# Altium PCB ATM1099C-0627-ssy-1.brd.PcbDoc (part 4 of 4)
Units mm, origin at the board's own origin, x right, y up, seen from the top; angles counter-clockwise.
Board outline 134 x 90 mm, 4 copper layers (TOP, GND, POWER, BOTTOM), stack 1.562 mm thick; 290 components, 303 nets, 1209 pads, 571 vias.
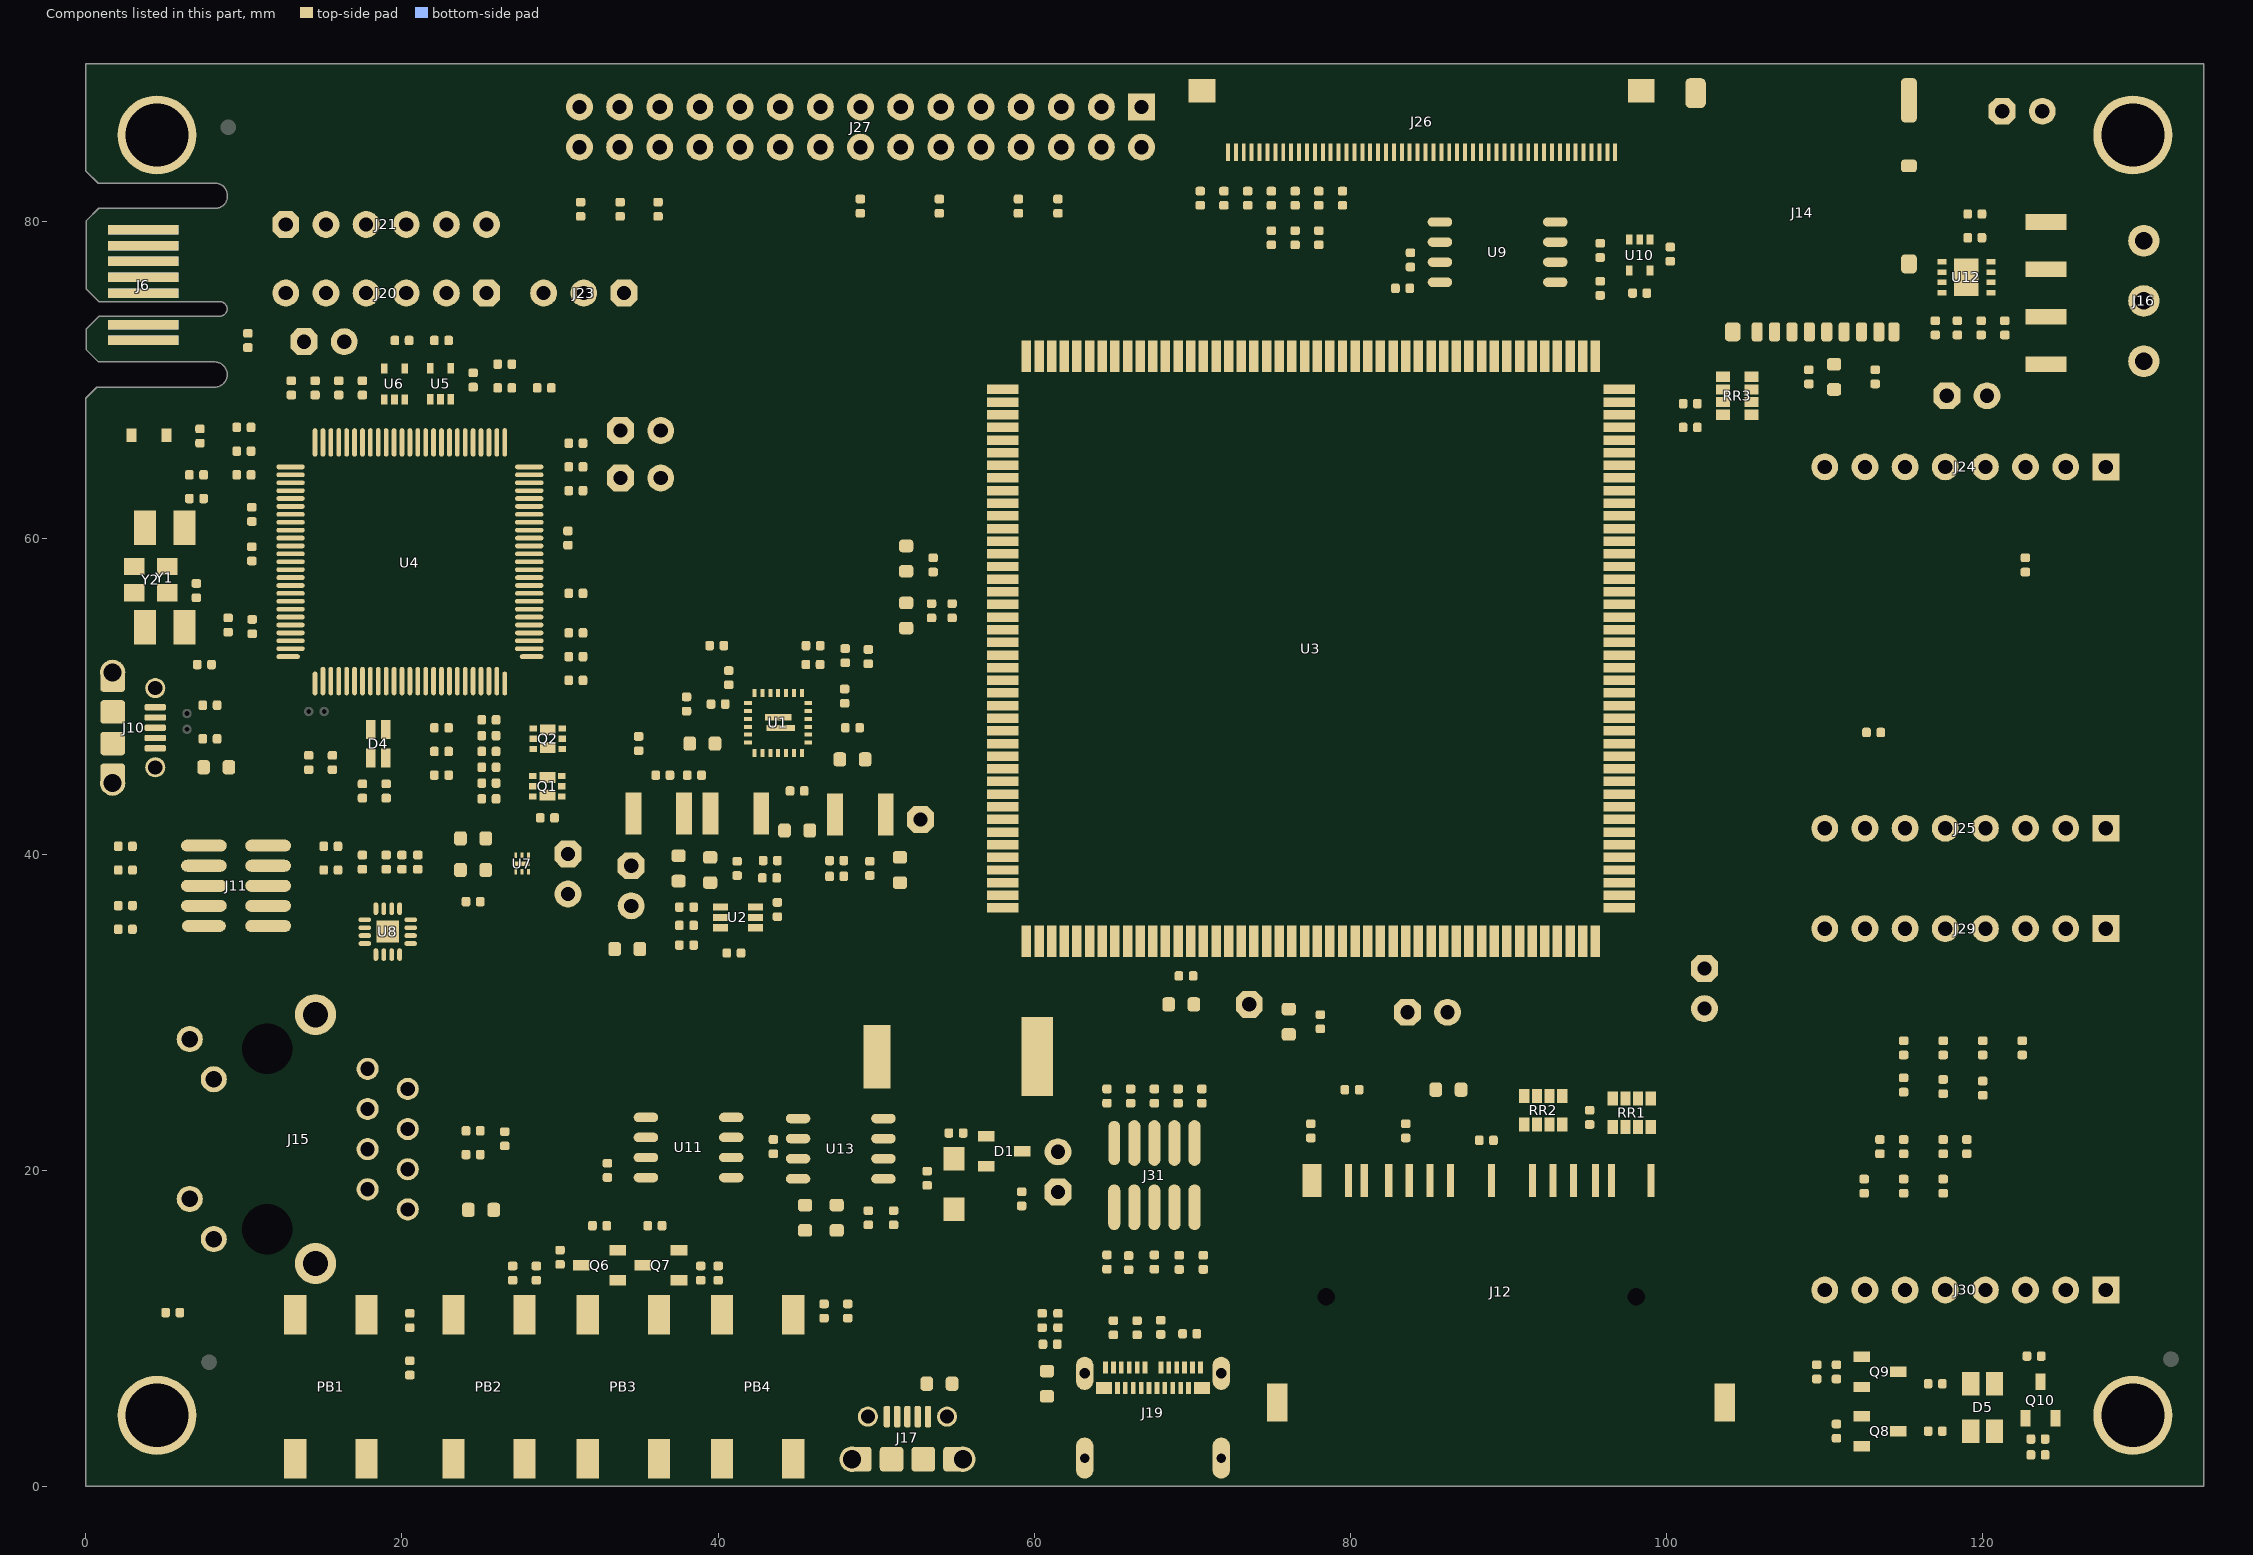
[diagram p6: the components of this part, seen from the top]

## Polygon pours and split planes (outlines as drawn)
VBUS_JLINK on TOP "full" (solid, pour order 0): 17 vertices, not listed, extent 25.687,44.18 28.5,47.5
VOUT3 on TOP "full" (solid, pour order 2): 18 vertices, not listed, extent 47.8,39.3 52,43.8
GND_POWER on TOP "full" (solid, pour order 4): 47,39.8 47.1,39.7 47.1,37.2 46.8,36.9 44.7,36.9 44.2,36.4 41.9,36.4 41.9,37.3 42,37.4 43.3,37.4 43.5,37.6 43.5,39.7 43.6,39.8
USBB_VBUS_5V on TOP "full" (solid, pour order 6): 45,16.5 45,15.5 45.3,15.2 49.539,15.2 49.817,15.478 49.817,16.875 45.375,16.875
VDD_3V3_3U on TOP "full" (solid, pour order 8): 24.671,36.763 24.671,37.324 24.849,37.502 24.849,39.504 26.726,39.504 26.751,39.503 27.028,39.226 27.028,39.101 27.153,39.101 27.25,39.004 27.75,39.004 27.75,37.104 27.35,36.704 24.73,36.704
NetQ1_7 on TOP "full" (solid, pour order 10): 28.7,43.4 28.7,44.5 28.8,44.5 28.8,45.2 29.7,45.2 29.7,43.4 28.7,43.4
VDD_MAIN_5V on TOP "full" (solid, pour order 12): 18 vertices, not listed, extent 25,39.8 28.6,41.5
NetQ1_2 on TOP "full" (solid, pour order 14): 19 vertices, not listed, extent 28,45.6 30.4,48.4
VBUS_USBA on TOP "full" (solid, pour order 16): 18 vertices, not listed, extent 25.56,47.101 30.1,49.6
VDD_3V3 on TOP "full" (solid, pour order 18): 51.1,38.5 52,38.5 52.1,38.4 52.1,36.8 52.1,36.6 52,36.5 50.3,36.5 50.1,36.7 50.1,38.3 50.3,38.5 51.1,38.5
NetJ16_3 on TOP "full" (solid, pour order 22): 122.8,73.6 122.8,75.5 122.9,75.6 125.1,75.6 125.5,75.6 127.4,73.7 128.7,72.4 131,72.4 131.2,72.2 131.2,70.4 131,70.2 128.2,70.2 126.7,71.7 124.8,73.6 122.8,73.6
NetJ16_2 on TOP "full" (solid, pour order 24): 122.8,77.9 122.8,76.2 123,76 126,76 128,74 130.6,74 131.2,74.6 131.2,76.2 131,76.4 128.8,76.4 127,78.2 123.1,78.2 122.8,77.9
NetC60_1 on TOP "full" (solid, pour order 26): 119.6,82.7 119.6,80.3 120.2,79.7 126.5,79.7 126.9,80.1 126.9,81.5 125.6,82.8 119.7,82.8 119.6,82.7
NetC60_1 on TOP "full" (solid, pour order 28): 123,71.3 123,69 123.5,68.5 126.8,68.5 126.9,68.6 126.9,70.9 126.5,71.3 123,71.3
NetR68_1 on TOP "full" (solid, pour order 30): 119.8,79.2 120.5,79.2 120.8,78.9 120.8,77.4 120.7,77.3 120.1,77.3 120,77.4 120,78.4 119.8,78.6 119.8,79.2
NetC61_1 on TOP "full" (solid, pour order 32): 120,75.803 120,74.4 119.54,73.94 119.54,73.517 121.699,73.517 121.699,73.901 120.8,74.8 120.8,75.803
VDDSDHC on TOP "full" (solid, pour order 34): 37.825,33.925 37.825,37.075 37.3,37.6 36.4,37.6 36.1,37.6 36,37.5 36,35.2 37.1,34.1 37.275,33.925
VDDSDHC on TOP "full" (solid, pour order 36): 76.9,34.8 76.9,33.8 76.8,33.7 76.8,32.4 75.6,31.2 75.6,29.8 75.825,29.575 78.412,29.575 78.412,31.588 77.3,32.7 77.3,33.3 77.3,34.9 77.2,35 77.1,35
NetJ2_2 on TOP "full" (solid, pour order 38): 32.45,37.35 32.25,37.15 32.25,33.55 32.35,33.45 33.75,33.45 33.85,33.55 33.85,35.15 34.1,35.4 34.7,35.4 35.4,36.1 35.4,37.3 35,37.7 32.8,37.7 32.45,37.35
VOUT1 on TOP "full" (solid, pour order 40): 30 vertices, not listed, extent 33.1,38.3 38.3,49.3
VOUT2 on TOP "full" (solid, pour order 42): 38.8,43.8 38.8,39.4 38.9,39.3 42.9,39.3 43,39.4 43,40.4 42.6,40.8 40.7,40.8 40,41.5 40,43.8 39.9,43.9 38.9,43.9 38.8,43.8
VDDIN_3V3 on TOP "full" (solid, pour order 44): 31 vertices, not listed, extent 49.6,55.6 56.873,58.5
VDDIN_3V3 on TOP "full" (solid, pour order 46): 34.7,34.5 36.1,34.5 36.4,34.2 36.4,32.8 36.1,32.5 34.8,32.5 34.7,32.6 34.7,34.5
VDD_3V3 on TOP "full" (solid, pour order 20): 83.614,25.85 83.614,24.575 85.95,24.575 85.95,25.85
USBB_VBUS_5V on BOTTOM "full" (solid, pour order 48): 102 vertices, not listed, extent 45.2,4.2 66,16
NetQ1_2 on BOTTOM "full" (solid, pour order 50): 18 vertices, not listed, extent 26.7,43.5 31.497,46.2
NetJ16_3 on BOTTOM "full" (solid, pour order 52): 121.2,77.6 121.2,75.6 122.1,74.7 125.4,74.7 125.4,77 124.7,77.7 121.3,77.7 121.2,77.6
NetC60_1 on BOTTOM "full" (solid, pour order 54): 124.2,82.4 124.2,80.2 126,78.4 126,72.8 124.5,71.3 124.5,68.7 124.6,68.6 127.4,68.6 128.1,69.3 128.1,80.3 125.8,82.6 124.4,82.6 124.2,82.4
VDDIN_3V3 on BOTTOM "full" (solid, pour order 56): 250 vertices, not listed, extent 35,32.1 53.9,58.6
no net on 3D BOT (M12) (solid): 74.568,49.068 74.568,53.132 78.632,53.132 78.632,49.068 74.568,49.068
no net on 3D BOT (M12) (solid): 42.882,31.208 39.088,24.594 46.713,24.592 42.882,31.208
GND_POWER on GND (split plane): 305 vertices, not listed, extent 0.51,0.51 133.49,89.49
VDD_3V3 on POWER (split plane): 364 vertices, not listed, extent 0.51,0.51 133.49,89.49
VDDOUT on POWER (split plane): 197 vertices, not listed, extent 9.252,43.752 30.748,69.248
VDD_3V3_3U on POWER (split plane): 369 vertices, not listed, extent 0.51,31.252 35.998,89.49
VDD_MAIN_5V on POWER (split plane): 304 vertices, not listed, extent 25.252,15.752 120.748,82.248
VDDSDHC on POWER (split plane): 72 vertices, not listed, extent 35.752,24.752 78.248,40.748
NetR52_2 on POWER (split plane): 40 vertices, not listed, extent 90.752,21.252 99.248,28.248

## Keep-outs
Keep-Out Layer:
  text ".Layer_Name" at 304.5,-129.75 h1.5

## Other copper
TOP:
  region net EARTH0: 0.75,52.725 3.275,52.725 5,51 5,50.525 4.475,50 2.75,50 2.75,46 5.25,46 5.25,45.225 3.25,43.225 0.75,43.225
  region net EARTH0: 2.65,45.4 0.75,45.4 0.75,43.8 0.752,43.756 0.758,43.713 0.767,43.671 0.78,43.629 0.797,43.589 0.817,43.55 0.84,43.513 0.867,43.479 0.896,43.446 0.929,43.417 0.963,43.39 1,43.367 1.039,43.347 1.079,43.33 1.121,43.317 1.163,43.308 1.206,43.302 1.25,43.3 2.15,43.3 2.194,43.302 2.237,43.308 2.279,43.317 2.321,43.33 2.361,43.347 2.4,43.367 2.437,43.39 2.471,43.417 2.504,43.446 2.533,43.479 2.56,43.513 2.583,43.55 2.603,43.589 2.62,43.629 2.633,43.671 2.642,43.713 2.648,43.756 2.65,43.8 2.65,45.4
  region net EARTH0: 0.75,50.6 2.65,50.6 2.65,52.2 2.648,52.244 2.642,52.287 2.633,52.329 2.62,52.371 2.603,52.411 2.583,52.45 2.56,52.487 2.533,52.521 2.504,52.554 2.471,52.583 2.437,52.61 2.4,52.633 2.361,52.653 2.321,52.67 2.279,52.683 2.237,52.692 2.194,52.698 2.15,52.7 1.25,52.7 1.206,52.698 1.163,52.692 1.121,52.683 1.079,52.67 1.039,52.653 1,52.633 0.963,52.61 0.929,52.583 0.896,52.554 0.867,52.521 0.84,52.487 0.817,52.45 0.797,52.411 0.78,52.371 0.767,52.329 0.758,52.287 0.752,52.244 0.75,52.2 0.75,50.6
  text ".ProjectRevisionART" at 339.678,-129.572 h1.5
  text ".Layer_Name" at 304.5,-129.75 h1.5
BOTTOM:
  region net EARTH0: 0.5,53 2.75,53 5,50.75 5,46 5,45.225 3,43.225 0.5,43.225
  pour cut-out: 64.861,4.9 64.826,5.077 64.726,5.226 64.577,5.326 64.4,5.361 64.223,5.326 64.074,5.226 63.974,5.077 63.939,4.9 63.974,4.723 64.074,4.574 64.223,4.474 64.4,4.439 64.577,4.474 64.726,4.574 64.826,4.723 64.861,4.9
  pour cut-out: 50.761,52 50.726,52.177 50.626,52.326 50.477,52.426 50.3,52.461 50.123,52.426 49.974,52.326 49.874,52.177 49.839,52 49.874,51.823 49.974,51.674 50.123,51.574 50.3,51.539 50.477,51.574 50.626,51.674 50.726,51.823 50.761,52
  pour cut-out: 44.211,34.95 44.176,35.127 44.076,35.276 43.927,35.376 43.75,35.411 43.573,35.376 43.424,35.276 43.324,35.127 43.289,34.95 43.324,34.773 43.424,34.624 43.573,34.524 43.75,34.489 43.927,34.524 44.076,34.624 44.176,34.773 44.211,34.95
  text ".ProjectRevisionART" at 84.5,1.5 h1.2
  text "-R" at 87,1.5 h1.2
  text ".ProjectBoardNumber" at 93,1.5 h1.2
  text "04-" at 96.75,1.5 h1.2
  text ".ProjectRevisionART" at 339.678,-129.572 h1.5
  text ".ProjectRevisionART" at 339.678,-129.572 h1.5
  text ".ProjectRevisionART" at 339.678,-129.572 h1.5
  text ".Layer_Name" at 304.5,-129.75 h1.5
GND (plane layer: these items are gaps in the copper):
  lines w0.254: 0.363,68.638 0.403,68.735 0.885,69.217 ; 0.363,68.638 0.363,68.638 ; 0.363,68.638 0.363,0.5 0.403,0.403 0.5,0.363 133.5,0.363 133.597,0.403 133.637,0.5 133.637,89.5 133.597,89.597 133.5,89.637 0.5,89.637 0.403,89.597 0.363,89.5 0.363,83.352 0.403,83.255 ; 0.363,73.056 0.403,73.153 0.885,73.635 ; 0.363,73.056 0.363,73.056 ; 0.363,73.056 0.363,72.102 0.403,72.005 ; 0.363,75.934 0.363,79.888 ; 0.363,75.934 0.363,75.934 ; 0.363,75.934 0.391,75.866 0.403,75.837 ; 0.363,79.888 0.403,79.985 0.885,80.467 ; 0.363,79.888 0.363,79.888 ; 0.403,72.005 0.403,72.005 ; 0.403,72.005 0.885,71.523 0.982,71.483 ; 0.403,75.837 0.403,75.837 ; 0.403,75.837 0.885,75.355 0.982,75.315 ; 0.403,83.255 0.403,83.255 ; 0.403,83.255 0.885,82.773 0.982,82.733 ; 0.885,69.217 0.982,69.257 8.262,69.257 8.362,69.261 8.458,69.274 8.553,69.295 8.646,69.324 8.735,69.361 8.821,69.406 8.903,69.458 8.98,69.518 9.052,69.583 9.117,69.655 9.177,69.732 9.229,69.814 9.274,69.9 9.311,69.989 9.34,70.082 9.361,70.177 9.374,70.273 9.378,70.37 9.374,70.467 9.361,70.563 9.34,70.658 9.311,70.751 9.274,70.84 9.229,70.926 9.177,71.008 9.117,71.085 9.052,71.157 8.98,71.222 8.903,71.282 8.821,71.334 8.735,71.379 8.646,71.416 8.553,71.445 8.458,71.466 8.362,71.479 8.262,71.483 0.982,71.483 ; 0.885,69.217 0.885,69.217 ; 0.885,73.635 0.982,73.675 8.44,73.675 8.514,73.678 8.585,73.688 8.655,73.703 8.723,73.725 8.789,73.752 8.853,73.785 8.913,73.823 8.97,73.867 9.023,73.915 9.071,73.968 9.115,74.025 9.153,74.085 9.186,74.149 9.213,74.215 9.235,74.283 9.25,74.353 9.26,74.424 9.263,74.498 9.26,74.571 9.25,74.641 9.235,74.711 9.214,74.779 9.186,74.844 9.154,74.907 9.115,74.967 9.072,75.024 9.024,75.076 8.972,75.124 8.915,75.167 8.855,75.206 8.792,75.238 8.727,75.266 8.659,75.287 8.589,75.302 8.519,75.312 8.445,75.315 0.982,75.315 ; 0.885,73.635 0.885,73.635 ; 0.885,80.467 0.982,80.507 8.262,80.507 8.362,80.511 8.458,80.524 8.553,80.545 8.646,80.574 8.735,80.611 8.821,80.656 8.903,80.708 8.98,80.768 9.052,80.833 9.117,80.905 9.177,80.982 9.229,81.064 9.274,81.15 9.311,81.239 9.34,81.332 9.361,81.427 9.374,81.523 9.378,81.62 9.374,81.717 9.361,81.813 9.34,81.908 9.311,82.001 9.274,82.09 9.229,82.176 9.177,82.258 9.117,82.335 9.052,82.407 8.98,82.472 8.903,82.532 8.821,82.584 8.735,82.629 8.646,82.666 8.553,82.695 8.458,82.716 8.362,82.729 8.262,82.733 0.982,82.733 ; 0.885,80.467 0.885,80.467 ; 0.982,71.483 0.982,71.483 ; 0.982,75.315 0.982,75.315 ; 0.982,82.733 0.982,82.733
  text ".Layer_Name" at 304.5,-129.75 h1.5
POWER (plane layer: these items are gaps in the copper):
  lines w0.254: 10.887,75.453 12.453,73.887 28.896,73.887 28.896,73.887 28.994,73.847 33.347,69.494 ; 10.887,77.977 10.887,89.5 10.847,89.597 10.75,89.637 0.5,89.637 0.403,89.597 0.363,89.5 0.363,83.352 0.403,83.255 ; 11.113,77.977 11.113,89.5 11.153,89.597 11.25,89.637 133.5,89.637 133.597,89.597 133.637,89.5 133.637,0.5 133.597,0.403 133.5,0.363 0.5,0.363 0.403,0.403 0.363,0.5 0.363,42.25 0.403,42.347 0.5,42.387 13.396,42.387 ; 11.229,75.43 12.506,74.153 12.604,74.113 ; 17.113,51.663 17.113,49.104 ; 17.113,52.547 16.547,53.113 13.953,53.113 12.994,52.153 ; 26.66,43.819 24.887,42.047 24.887,38.953 25.453,38.387 26.896,38.387 ; 26.669,43.51 25.153,41.994 25.113,41.896 ; 26.981,44.14 33.422,50.581 36.092,53.009 36.094,53.012 36.097,53.013 36.116,53.059 36.137,53.104 36.136,53.107 36.137,53.111 36.137,58.896 36.097,58.994 ; 29.45,46.291 33.575,50.416 33.579,50.418 33.58,50.421 36.363,52.95 36.363,58.75 36.403,58.847 36.5,58.887 59.547,58.887 68.113,67.453 68.113,80.896 ; 33.387,62.895 33.387,61.703 36.097,58.994 ; 33.387,64.705 33.387,65.895 ; 33.387,67.705 33.387,69.396 ; 71.809,33.032 66.994,37.847 66.896,37.887 ; 72.05,73.291 70.887,74.453 70.887,80.896 70.847,80.994 ; 72.119,33.04 67.047,38.113 50.453,38.113 48.494,36.153 ; 72.431,32.41 73.163,31.678 ; 72.44,32.719 73.626,31.533 ; 72.506,73.153 71.153,74.506 ; 73.223,31.576 73.221,31.585 73.216,31.59 73.216,31.596 73.213,31.604 73.209,31.609 73.208,31.615 73.204,31.623 73.199,31.627 73.198,31.633 73.193,31.641 73.188,31.645 73.186,31.651 73.181,31.658 73.175,31.661 73.173,31.667 73.167,31.673 73.164,31.675 73.163,31.678 ; 73.387,29.483 73.387,25.953 74.953,24.387 78.047,24.387 78.613,24.953 78.613,37.25 78.653,37.347 78.75,37.387 90.896,37.387 ; 73.613,29.435 73.613,26.104 ; 95.787,72.887 100.047,72.887 101.613,74.453 101.613,77.396 ; 95.928,73.113 99.896,73.113 99.994,73.153 ; 99.887,55.448 99.887,52.453 102.676,49.665 ; 99.887,56.352 99.887,67.547 105.953,73.613 119.396,73.613 119.494,73.653 ; 100.113,55.852 100.113,52.604 100.153,52.506 ; 100.113,55.949 100.113,67.396 ; 101.609,51.05 100.153,52.506 ; 103.287,49.613 113.047,49.613 116.613,46.047 116.613,32.453 115.547,31.387 96.953,31.387 90.994,37.347 90.896,37.387 ; 103.428,49.387 112.896,49.387 ; 0.363,68.638 0.403,68.735 0.885,69.217 ; 0.363,68.638 0.363,68.638 ; 0.363,68.638 0.363,42.75 0.403,42.653 0.5,42.613 13.547,42.613 15.613,40.547 15.613,33.104 15.653,33.006 17.506,31.153 17.604,31.113 ; 0.363,73.056 0.403,73.153 0.885,73.635 ; 0.363,73.056 0.363,73.056 ; 0.363,73.056 0.363,72.102 0.403,72.005 ; 0.363,75.934 0.363,79.888 ; 0.363,75.934 0.363,75.934 ; 0.363,75.934 0.391,75.866 0.403,75.837 ; 0.363,79.888 0.403,79.985 0.885,80.467 ; 0.363,79.888 0.363,79.888 ; 0.403,72.005 0.403,72.005 ; 0.403,72.005 0.885,71.523 0.982,71.483 ; 0.403,75.837 0.403,75.837 ; 0.403,75.837 0.885,75.355 0.982,75.315 ; 0.403,83.255 0.403,83.255 ; 0.403,83.255 0.885,82.773 0.982,82.733 ; 0.885,69.217 0.982,69.257 8.262,69.257 8.362,69.261 8.458,69.274 8.553,69.295 8.646,69.324 8.735,69.361 8.821,69.406 8.903,69.458 8.98,69.518 9.052,69.583 9.117,69.655 9.177,69.732 9.229,69.814 9.274,69.9 9.311,69.989 9.34,70.082 9.361,70.177 9.374,70.273 9.378,70.37 9.374,70.467 9.361,70.563 9.34,70.658 9.311,70.751 9.274,70.84 9.229,70.926 9.177,71.008 9.117,71.085 9.052,71.157 8.98,71.222 8.903,71.282 8.821,71.334 8.735,71.379 8.646,71.416 8.553,71.445 8.458,71.466 8.362,71.479 8.262,71.483 0.982,71.483 ; 0.885,69.217 0.885,69.217 ; 0.885,73.635 0.982,73.675 8.44,73.675 8.514,73.678 8.585,73.688 8.655,73.703 8.723,73.725 8.789,73.752 8.853,73.785 8.913,73.823 8.97,73.867 9.023,73.915 9.071,73.968 9.115,74.025 9.153,74.085 9.186,74.149 9.213,74.215 9.235,74.283 9.25,74.353 9.26,74.424 9.263,74.498 9.26,74.571 9.25,74.641 9.235,74.711 9.214,74.779 9.186,74.844 9.154,74.907 9.115,74.967 9.072,75.024 9.024,75.076 8.972,75.124 8.915,75.167 8.855,75.206 8.792,75.238 8.727,75.266 8.659,75.287 8.589,75.302 8.519,75.312 8.445,75.315 0.982,75.315 ; 0.885,73.635 0.885,73.635 ; 0.885,80.467 0.982,80.507 8.262,80.507 8.362,80.511 8.458,80.524 8.553,80.545 8.646,80.574 8.735,80.611 8.821,80.656 8.903,80.708 8.98,80.768 9.052,80.833 9.117,80.905 9.177,80.982 9.229,81.064 9.274,81.15 9.311,81.239 9.34,81.332 9.361,81.427 9.374,81.523 9.378,81.62 9.374,81.717 9.361,81.813 9.34,81.908 9.311,82.001 9.274,82.09 9.229,82.176 9.177,82.258 9.117,82.335 9.052,82.407 8.98,82.472 8.903,82.532 8.821,82.584 8.735,82.629 8.646,82.666 8.553,82.695 8.458,82.716 8.362,82.729 8.262,82.733 0.982,82.733 ; 0.885,80.467 0.885,80.467 ; 0.982,71.483 0.982,71.483 ; 0.982,75.315 0.982,75.315 ; 0.982,82.733 0.982,82.733 ; 9.113,52.604 9.113,67.896 ; 9.113,52.604 9.113,52.604 ; 9.113,52.604 9.153,52.506 9.506,52.153 9.604,52.113 ; 9.113,67.896 9.153,67.994 9.506,68.347 9.604,68.387 ; 9.113,67.896 9.113,67.896 ; 9.604,52.113 9.604,52.113 ; 9.604,52.113 12.896,52.113 12.994,52.153 ; 9.604,68.387 12.396,68.387 ; 9.604,68.387 9.604,68.387 ; 12.396,68.387 12.494,68.347 12.847,67.994 12.887,67.896 ; 12.396,68.387 12.396,68.387 ; 12.604,74.113 12.604,74.113 ; 12.604,74.113 29.047,74.113 33.613,69.547 33.613,61.854 33.653,61.756 36.256,59.153 36.354,59.113 ; 12.887,67.896 12.887,63.453 13.453,62.887 21.047,62.887 21.613,63.453 21.613,69.25 21.653,69.347 21.75,69.387 25.646,69.387 ; 12.887,67.896 12.887,67.896 ; 12.994,52.153 12.994,52.153 ; 13.396,42.387 13.494,42.347 15.347,40.494 ; 13.396,42.387 13.396,42.387 ; 15.347,40.494 15.387,40.396 15.387,32.953 17.453,30.887 27.396,30.887 ; 15.347,40.494 15.347,40.494 ; 17.113,49.104 17.113,49.104 ; 17.113,49.104 17.141,49.035 17.153,49.006 ; 17.153,49.006 17.153,49.006 ; 17.153,49.006 19.613,46.547 19.613,44.104 19.653,44.006 ; 17.604,31.113 17.604,31.113 ; 17.604,31.113 27.25,31.113 27.347,31.153 27.387,31.25 27.387,37.896 27.347,37.994 ; 19.653,44.006 19.653,44.006 ; 19.653,44.006 20.006,43.653 20.104,43.613 ; 20.104,43.613 20.104,43.613 ; 20.104,43.613 22.396,43.613 22.494,43.653 23.86,45.019 23.873,45.05 23.894,45.077 23.897,45.088 23.901,45.099 23.911,45.126 23.923,45.15 23.937,45.174 23.954,45.196 23.972,45.217 23.991,45.236 24.013,45.253 24.036,45.269 24.06,45.282 24.085,45.293 24.113,45.303 24.123,45.306 24.15,45.327 24.181,45.34 ; 24.181,45.34 24.181,45.341 ; 24.181,45.341 24.347,45.506 24.387,45.604 ; 24.387,45.604 24.387,45.604 ; 24.387,45.604 24.387,53.547 25.953,55.113 30.174,55.113 30.211,55.128 30.251,55.136 30.826,55.519 30.834,55.531 30.847,55.537 30.863,55.574 30.885,55.607 30.882,55.621 30.887,55.634 30.887,57.146 ; 25.113,41.896 25.113,41.896 ; 25.113,41.896 25.113,39.104 25.153,39.006 ; 25.153,39.006 25.153,39.006 ; 25.153,39.006 25.506,38.653 25.604,38.613 ; 25.604,38.613 25.604,38.613 ; 25.604,38.613 27.047,38.613 27.613,38.047 27.613,31.104 27.653,31.006 ; 25.646,69.387 25.703,69.364 25.744,69.347 ; 25.646,69.387 25.646,69.387 ; 25.744,69.347 25.847,69.244 ; 25.744,69.347 25.744,69.347 ; 25.847,69.244 25.887,69.146 25.887,62.549 25.885,62.543 25.887,62.538 25.885,62.505 25.886,62.475 25.886,62.468 25.887,62.467 ; 25.847,69.244 25.847,69.244 ; 25.887,62.354 25.847,62.256 25.402,61.811 25.383,61.803 25.369,61.787 25.34,61.771 25.317,61.756 25.295,61.739 25.275,61.721 25.257,61.7 25.24,61.678 25.225,61.654 25.214,61.632 25.197,61.618 25.189,61.598 24.887,61.297 24.887,58.453 25.453,57.887 30.146,57.887 ; 25.887,62.354 25.887,62.354 ; 25.887,62.354 25.887,62.452 25.884,62.459 25.887,62.466 25.887,62.467 ; 25.887,62.467 25.887,62.467 ; 26.896,38.387 26.994,38.347 27.347,37.994 ; 26.896,38.387 26.896,38.387 ; 27.347,37.994 27.347,37.994 ; 27.396,30.887 27.494,30.847 33.847,24.494 ; 27.396,30.887 27.396,30.887 ; 27.653,31.006 27.653,31.006 ; 27.653,31.006 34.113,24.547 34.113,17.953 33.653,17.494 33.613,17.396 ; 30.146,57.887 30.244,57.847 30.847,57.244 30.887,57.146 ; 30.146,57.887 30.146,57.887 ; 30.887,57.146 30.887,57.146 ; 33.347,69.494 33.359,69.465 33.387,69.396 ; 33.347,69.494 33.347,69.494 ; 33.387,69.396 33.387,69.396 ; 33.613,17.396 33.613,17.396 ; 33.613,17.396 33.613,16.104 33.653,16.006 ; 33.653,16.006 33.653,16.006 ; 33.653,16.006 34.006,15.653 34.104,15.613 ; 33.847,24.494 33.859,24.465 33.887,24.396 ; 33.847,24.494 33.847,24.494 ; 33.887,18.104 33.847,18.006 33.387,17.547 33.387,15.953 33.953,15.387 38.047,15.387 43.613,20.953 43.613,23.223 43.617,23.233 43.614,23.244 43.616,23.247 43.615,23.25 43.637,23.283 43.653,23.32 43.663,23.324 43.669,23.334 43.696,23.354 43.717,23.372 43.736,23.391 43.753,23.413 43.769,23.436 43.782,23.46 43.793,23.485 43.802,23.511 43.809,23.537 43.813,23.564 43.815,23.592 43.814,23.619 43.812,23.647 43.806,23.674 43.799,23.7 43.789,23.726 43.777,23.75 43.763,23.774 43.746,23.796 43.728,23.817 43.709,23.836 43.686,23.854 43.671,23.865 43.664,23.875 43.653,23.88 43.637,23.918 43.615,23.953 43.617,23.966 43.613,23.977 43.613,26.547 42.153,28.006 42.113,28.104 ; 33.887,18.104 33.887,18.104 ; 33.887,18.104 33.887,24.396 ; 33.887,24.396 33.887,24.396 ; 34.104,15.613 34.104,15.613 ; 34.104,15.613 37.896,15.613 ; 35.613,37.896 35.653,37.994 37.506,39.847 ; 35.613,37.896 35.613,37.896 ; 35.613,37.896 35.613,32.604 35.653,32.506 35.653,32.506 36.006,32.153 ; 36.006,32.153 36.006,32.153 ; 36.006,32.153 36.035,32.141 36.104,32.113 ; 36.097,58.994 36.097,58.994 ; 36.104,32.113 36.104,32.113 ; 36.104,32.113 41.75,32.113 41.847,32.153 41.887,32.25 41.887,35.547 42.453,36.113 48.396,36.113 48.494,36.153 ; 36.354,59.113 36.354,59.113 ; 36.354,59.113 59.396,59.113 59.494,59.153 ; 37.506,39.847 37.604,39.887 45.547,39.887 46.506,40.847 ; 37.506,39.847 37.506,39.847 ; 37.896,15.613 37.896,15.613 ; 37.896,15.613 37.965,15.641 37.994,15.653 ; 37.994,15.653 37.994,15.653 ; 37.994,15.653 43.347,21.006 43.387,21.104 ; 42.113,28.104 42.113,35.396 ; 42.113,28.104 42.113,28.104 ; 42.113,35.396 42.133,35.445 42.153,35.494 ; 42.113,35.396 42.113,35.396 ; 42.153,35.494 42.506,35.847 42.604,35.887 48.547,35.887 50.506,37.847 50.604,37.887 ; 42.153,35.494 42.153,35.494 ; 43.347,26.494 43.387,26.396 43.387,23.977 43.383,23.967 43.386,23.956 43.384,23.953 43.385,23.95 43.363,23.917 43.347,23.88 43.337,23.876 43.331,23.866 43.304,23.846 43.283,23.828 43.264,23.809 43.247,23.787 43.231,23.764 43.218,23.74 43.207,23.715 43.198,23.689 43.191,23.663 43.187,23.636 43.185,23.608 43.186,23.581 43.188,23.553 43.194,23.526 43.201,23.5 43.211,23.474 43.223,23.45 43.237,23.426 43.254,23.404 43.272,23.383 43.291,23.364 43.314,23.346 43.329,23.335 43.336,23.325 43.347,23.32 43.363,23.282 43.385,23.247 43.383,23.234 43.387,23.223 43.387,21.104 ; 43.347,26.494 43.347,26.494 ; 43.347,26.494 41.887,27.953 41.887,31.75 41.847,31.847 41.75,31.887 35.953,31.887 35.387,32.453 35.387,38.047 37.453,40.113 45.396,40.113 45.494,40.153 ; 43.387,21.104 43.387,21.104 ; 45.494,40.153 45.494,40.153 ; 45.494,40.153 46.453,41.113 75.047,41.113 78.506,37.653 78.604,37.613 ; 46.506,40.847 46.604,40.887 74.896,40.887 ; 46.506,40.847 46.506,40.847 ; 48.494,36.153 48.494,36.153 ; 50.604,37.887 66.896,37.887 ; 50.604,37.887 50.604,37.887 ; 59.494,59.153 59.494,59.153 ; 59.494,59.153 67.847,67.506 67.887,67.604 ; 66.896,37.887 66.896,37.887 ; 67.887,67.604 67.887,67.604 ; 67.887,67.604 67.887,81.047 68.453,81.613 70.547,81.613 71.113,81.047 71.113,74.604 ; 68.113,80.896 68.153,80.994 68.506,81.347 ; 68.113,80.896 68.113,80.896 ; 68.506,81.347 68.604,81.387 70.396,81.387 ; 68.506,81.347 68.506,81.347 ; 70.396,81.387 70.465,81.359 70.494,81.347 ; 70.396,81.387 70.396,81.387 ; 70.494,81.347 70.847,80.994 ; 70.494,81.347 70.494,81.347 ; 70.847,80.994 70.847,80.994 ; 71.113,74.604 71.113,74.604 ; 71.113,74.604 71.141,74.535 71.153,74.506 ; 71.153,74.506 71.153,74.506 ; 73.163,31.678 73.163,31.678 ; 73.613,26.104 73.613,26.104 ; 73.613,26.104 73.641,26.035 73.653,26.006 ; 73.653,26.006 73.653,26.006 ; 73.653,26.006 75.006,24.653 75.104,24.613 ; 74.896,40.887 74.994,40.847 78.347,37.494 ; 74.896,40.887 74.896,40.887 ; 75.104,24.613 75.104,24.613 ; 75.104,24.613 77.896,24.613 77.994,24.653 78.347,25.006 ; 78.347,25.006 78.347,25.006 ; 78.347,25.006 78.367,25.055 78.387,25.104 ; 78.347,37.494 78.387,37.396 78.387,25.104 ; 78.347,37.494 78.347,37.494 ; 78.387,25.104 78.387,25.104 ; 78.604,37.613 78.604,37.613 ; 78.604,37.613 91.047,37.613 97.006,31.653 97.104,31.613 ; 90.896,37.387 90.896,37.387 ; 97.104,31.613 97.104,31.613 ; 97.104,31.613 115.396,31.613 ; 97.396,28.387 97.494,28.347 99.347,26.494 ; 97.396,28.387 97.396,28.387 ; 97.396,28.387 90.977,28.387 90.966,28.383 90.953,28.385 90.918,28.363 90.88,28.347 90.875,28.336 90.865,28.329 90.854,28.314 90.836,28.291 90.817,28.272 90.796,28.254 90.774,28.237 90.75,28.223 90.723,28.21 90.695,28.198 90.677,28.179 90.653,28.169 90.642,28.143 90.622,28.122 90.623,28.096 90.613,28.072 90.613,21.25 90.653,21.153 90.75,21.113 98.896,21.113 98.994,21.153 ; 98.994,21.153 98.994,21.153 ; 98.994,21.153 99.347,21.506 99.387,21.604 ; 99.347,26.494 99.387,26.396 99.387,21.604 ; 99.347,26.494 99.347,26.494 ; 99.387,21.604 99.387,21.604 ; 99.994,73.153 99.994,73.153 ; 99.994,73.153 101.347,74.506 101.387,74.604 ; 100.113,67.396 100.153,67.494 106.006,73.347 106.104,73.387 ; 100.113,67.396 100.113,67.396 ; 100.153,52.506 100.153,52.506 ; 101.387,74.604 101.387,74.604 ; 101.387,74.604 101.387,77.547 106.453,82.613 120.547,82.613 121.113,82.047 121.113,74.953 119.547,73.387 106.104,73.387 ; 101.613,77.396 101.653,77.494 106.506,82.347 ; 101.613,77.396 101.613,77.396 ; 106.104,73.387 106.104,73.387 ; 106.506,82.347 106.535,82.359 106.604,82.387 ; 106.506,82.347 106.506,82.347 ; 106.604,82.387 120.396,82.387 ; 106.604,82.387 106.604,82.387 ; 112.896,49.387 112.994,49.347 116.347,45.994 ; 112.896,49.387 112.896,49.387 ; 115.396,31.613 115.396,31.613 ; 115.396,31.613 115.494,31.653 116.347,32.506 116.387,32.604 ; 116.347,45.994 116.387,45.896 116.387,32.604 ; 116.347,45.994 116.347,45.994 ; 116.387,32.604 116.387,32.604 ; 119.494,73.653 119.494,73.653 ; 119.494,73.653 120.847,75.006 120.887,75.104 ; 120.396,82.387 120.494,82.347 120.847,81.994 120.887,81.896 ; 120.396,82.387 120.396,82.387 ; 120.887,75.104 120.887,75.104 ; 120.887,75.104 120.887,81.896 ; 120.887,81.896 120.887,81.896